# Altium PCB PCB2.PcbDoc (part 1 of 2) (continued)
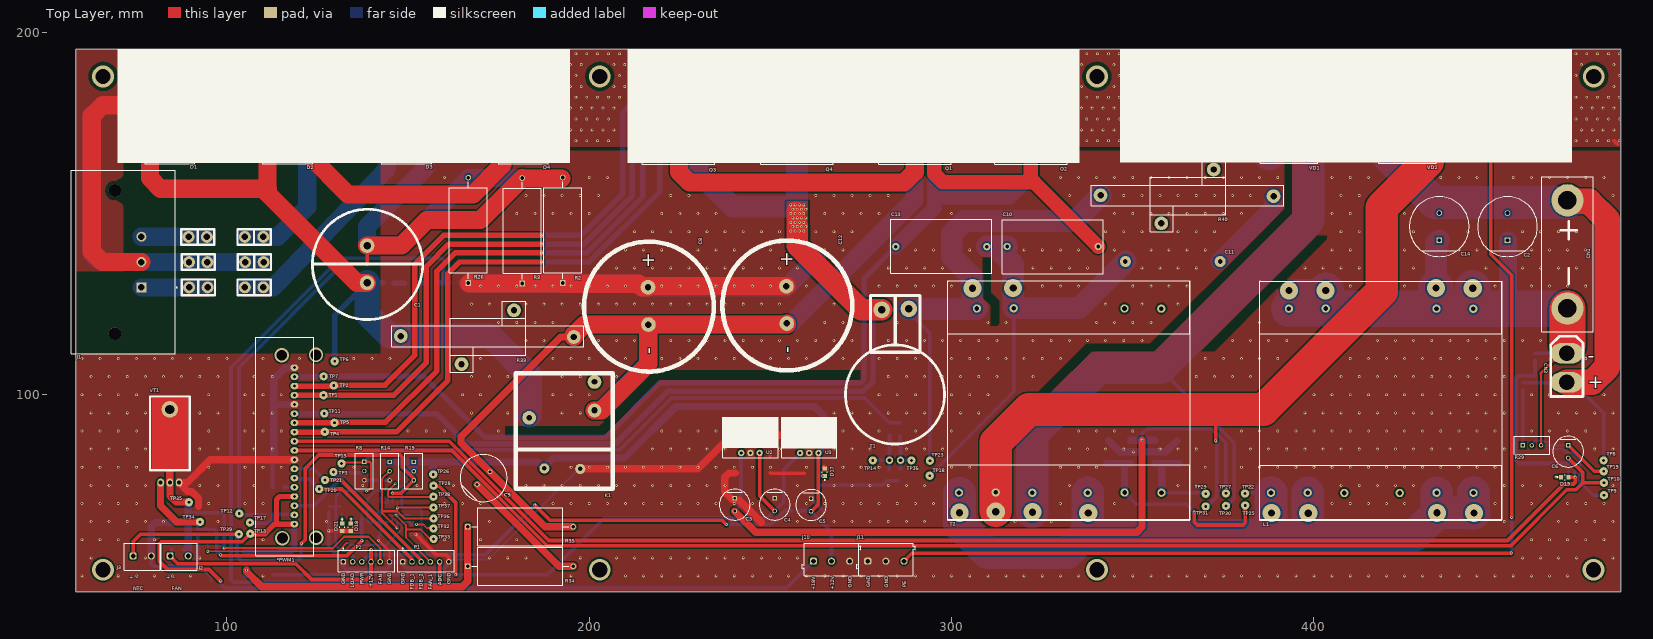
[diagram p0: Top Layer view]
## Part data (continued)
D17 D18 D19 D21: "WURTH ELEKTRONIK - 151031YS06000 - LED, Yellow, Through Hole, T-1 (3mm), 30 mA, 2 V, 590 nm", Manufacturer_Name="Wurth Elektronik", Mouser Part Number=710-151031YS06000, Datasheet Link=https://katalog.we-online.de/led/datasheet/151031YS06000.pdf, Geometry.Height=5.5mm, Manufacturer_Part_Number=151031YS06000, Mouser Price/Stock=https://www.mouser.co.uk/ProductDetail/Wurth-Elektronik/151031YS06000?qs=LlUlMxKIyB3xSYYW%252BcuBiQ%3D%3D
J1: library part CMP-64678-000001-1, "PWR ENT RCPT IEC320-C14 PNL SLDR", Color=Black, Current=15A, Max Voltage Rating (AC)=250V, Package Quantity=100, Approvals=UL, Connector Type=Receptacle, Contact Plating=Tin, Current Rating=15A, Fuse=No, Gender=Receptacle, Housing Material=Thermoplastic, Lead Free="Lead Free", Max Current Rating=15A, Mount="Through Hole", Number of Contacts=3, Number of Poles=2, Number of Positions=3, Orientation="Right Angle", Packaging=Bulk, Panel Thickness=0.12inch, Pitch=7mm, REACH SVHC="No SVHC", Termination=Solder, Voltage Rating=250V, Voltage Rating (AC)=250V, Voltage Rating (DC)=250V
J2 J3: "WR-TBL Series 1377 Horizontal Entry, THT, pitch 5mm, 2p", Manufacturer="Wurth Elektronik", Operating Temperature Max=120°C, Operating Temperature Min=-30°C, Rated Current=16A, Working Voltage=300V, Application="Pressure Clamp", Category="Terminal Blocks", ComponentLink1Description="Website Link", ComponentLink1URL=https://www.we-online.com/redexpert/article/691137710002?ad, ComponentLink2Description="Datasheet Link", ComponentLink2URL=https://www.we-online.com/redexpert/spec/691137710002?ad, Manufacturer Part Number=691137710002, Match Code=WR-TBL, Modularity=No, Mount="Through Hole", Number of Pins=2, Number of Rows=1, Orientation=Horizontal, Packaging=Box, Pitch=5mm
J10 J11: "WR-TBL Series 101 Horizontal Entry Modular, THT, pitch 5mm, 3p", Manufacturer="Wurth Elektronik", Operating Temperature Max=105°C, Operating Temperature Min=-40°C, Rated Current=16A, Working Voltage=250V, Application="Pressure Clamp", Category="Terminal Blocks", ComponentLink1Description="Website Link", ComponentLink1URL=https://www.we-online.com/redexpert/article/691101710003?ad, ComponentLink2Description="Datasheet Link", ComponentLink2URL=https://www.we-online.com/redexpert/spec/691101710003?ad, Manufacturer Part Number=691101710003, Match Code=WR-TBL, Modularity=Yes, Mount="Through Hole", Number of Pins=3, Number of Rows=1, Orientation=Horizontal, Packaging=Box, Pitch=5mm
K1: library part CMP-03396-000117-1, "RELAY GEN PURPOSE SPST 30A 48V", Coil Current=21mA, Coil Power=1W, Coil Resistance=2.304kR, Coil Voltage (DC)=48V, Contact Current Rating=30A, Contact Voltage Rating (AC)=277V, Max Operating Temperature=85°C, Min Operating Temperature=-55°C, Package Quantity=50, Power Consumption=4W, Application(s)="GENERAL PURPOSE", Approvals=UL, Coil Type=Non-Latching, Contact Material=Silver, Current Rating=30A, Depth=27.43mm, ELV=Non-Compliant, Height=20.4mm, Lead Free="Lead Free", Length=32.5mm, Life (Hours)=100000Hour, Max Voltage Rating (AC)=277V, Mount="Through Hole", Number of Pins=4, Operate Time=15ms, Packaging=Tray, Radiation Hardening=No, Relay Type="General Purpose", Release Time=15ms, RoHS Compliant=Yes, Series=T9A, Termination=PCB, Throw Configuration=SPST, Voltage Rating (AC)=277V, Weight=0.918oz, Width=27.4mm
L1: library part DROSEL, "Drosel", Manufacturer="Wuerth Elektronik", ComponentLink1Description="Manufacturer URL", ComponentLink1URL=http://www.we-online.com, ComponentLink2Description=Datasheet, ComponentLink2URL=http://katalog.we-online.de/pbs/datasheet/750311457.pdf, PackageReference=EP13, PartNumber=750311457, Ui=36V
P1 P2: "WR-WTB THT Male Vertical Locking Header, pitch 2.54mm, 6pins", Contact Resistance=20mΩ, Manufacturer="Wurth Elektronik", Operating Temperature Max=105°C, Operating Temperature Min=-40°C, Rated Current=3A, Withstanding Voltage=1000VAC, Working Voltage=250VAC, Category="Wire-to-Board Connectors", ComponentLink1Description="Website Link", ComponentLink1URL=https://www.we-online.com/redexpert/article/61900611121?ad, ComponentLink2Description="Datasheet Link", ComponentLink2URL=https://www.we-online.com/redexpert/spec/61900611121?ad, Gender=Male, Height=11.5mm, Length=15.24mm, Manufacturer Part Number=61900611121, Match Code=WR-WTB, Mount="Through Hole", Number of Pins=6, Number of Rows=1, Orientation=Vertical, Packaging=Bag, Pitch=2.54mm, Width=5.8mm
Q1 Q2 Q3 Q4: library part CMP-1168-00042-1, "Low Loss IGBT in TrenchStop and Fieldstop Technology, PG-TO247-3-44, Tube, Green", Manufacturer=Infineon, Switching Frequency="TRENCHSTOP 2-20kHz", ComponentLink1Description="Manufacturer URL", ComponentLink1URL=http://www.infineon.com/, ComponentLink2Description=Datasheet, ComponentLink2URL=http://www.infineon.com/dgdl/IGW60T120_Rev2_4G.pdf?folderId=db3a304412b407950112b408e8c90004&fileId=db3a304412b407950112b428250e3d74, ComponentLink3Description="Package Specification", ComponentLink3URL=http://www.infineon.com/dgdl/IDW10S120_Rev+2.pdf?folderId=db3a304314dca38901151224afae0c96&fileId=db3a304336724dc40136789691a04aa5, DatasheetVersion="Rev. 2.4", Green=TRUE, Halogen-free=FALSE, IC(max) @ 25 degC="100 A", Mounting Technology="Through Hole", PackageDescription="3-Pin Plastic (Green) Transistor Single Outline Package, Body 15.915 x 20.95 mm, Pitch 5.44 mm", PackageReference=PG-TO247-3-44_A, PackageVersion="Rev. 05, 07/2010", Packing=Tube, PartNumber=IGW60T120, RevisionNote="Lost Devices pt2", VCE (max)="1,200 V", VCE(sat) (typ)="2.3 V"
R1: library part CMP-2001-04908-2, "RES Thick Film, 470Ω, 1%, 0.125W, 100ppm/°C, 0805", Case Code (Imperial)=0805, Case Code (Metric)=2012, Max Operating Temperature=155°C, Min Operating Temperature=-55°C, Package Quantity=5000, Power Rating=125mW, Resistance=10kR, Temperature Coefficient=100ppm/°C, Tolerance=1%, Voltage Rating=150V, Case/Package=0805, Composition="Thick Film", Contact Plating=Tin, Depth=1.25mm, Height=0.45mm, Lead Free="Lead Free", Length=2mm, Military Standard=Not, Packaging="Tape and Reel", Radiation Hardening=No, Termination=SMD/SMT, Voltage Rating (DC)=150V, Weight=0.000194oz, Width=1.25mm
R2 R3 R26 R34 R35: library part CMP-03413-000003-1, "RES 1.2 OHM 5W 5% AXIAL", Manufacturer=Yageo, Package=SQP500, Power Rating=5W, Resistance=1.2Ω, Temperature="-55°C to +155°C", Temperature Coefficient=300ppm/°C, Temperature Range High=+155°C, Temperature Range Low=-55°C, Tolerance=5%, Voltage Rating=350V, Automotive=No, Category=Res, ComponentLink2Description=Datasheet, ComponentLink2URL=https://datasheet.ciiva.com/2723/yageolr-sqpnsp-2013-2723111.pdf, Composition=Wirewound, Device Class L1="Passive Components", Device Class L2=Resistors, Device Class L3="Through-Hole Resistors", Digikey Description="RES 1.2 OHM 5W 5% AXIAL", Height=10mm, Ipc Land Pattern Name=RESAD2911W100L2350D1050, Lead Free=Yes, Manufacturer Part Number=SQP500JB-1R2, Octopart=https://octopart.com/sqp500jb-1r2-yageo-1162571, RoHS=TRUE, Series=SQP
R4 R7 R9 R10: library part CMP-2005-01987-2, "RES SMD 3,3K OHM 1% 1/2W 1992", Case Code (Imperial)=1210, Case Code (Metric)=3225, Max Operating Temperature=155°C, Max Power Dissipation=500mW, Min Operating Temperature=-55°C, Package Quantity=1, Resistance=0mR, Temperature Coefficient=0ppm/°C, Voltage Rating=200V, Case/Package=1210, Composition="Thick Film", Contact Plating=Tin, Depth=2.5mm, Features="Automotive AEC-Q200", Height=0.55mm, Length=3.2mm, Military Standard=Not, Mount="Surface Mount", Number of Terminations=2, Packaging="Tape and Reel", Power Rating=500mW, Radiation Hardening=No, REACH SVHC="No SVHC", Termination=SMD/SMT, Weight=0.000564oz, Width=0.098inch
R5: library part CMP-2005-01987-2, "RES SMD 10K OHM 1% 1/2W 1992", Case Code (Imperial)=1210, Case Code (Metric)=3225, Max Operating Temperature=155°C, Max Power Dissipation=500mW, Min Operating Temperature=-55°C, Package Quantity=1, Resistance=0mR, Temperature Coefficient=0ppm/°C, Voltage Rating=200V, Case/Package=1210, Composition="Thick Film", Contact Plating=Tin, Depth=2.5mm, Features="Automotive AEC-Q200", Height=0.55mm, Length=3.2mm, Military Standard=Not, Mount="Surface Mount", Number of Terminations=2, Packaging="Tape and Reel", Power Rating=500mW, Radiation Hardening=No, REACH SVHC="No SVHC", Termination=SMD/SMT, Weight=0.000564oz, Width=0.098inch
R6: library part CMP-2005-01987-2, "RES SMD 205K OHM 1% 1/2W 1992", Case Code (Imperial)=1210, Case Code (Metric)=3225, Max Operating Temperature=155°C, Max Power Dissipation=500mW, Min Operating Temperature=-55°C, Package Quantity=1, Resistance=0mR, Temperature Coefficient=0ppm/°C, Voltage Rating=200V, Case/Package=1210, Composition="Thick Film", Contact Plating=Tin, Depth=2.5mm, Features="Automotive AEC-Q200", Height=0.55mm, Length=3.2mm, Military Standard=Not, Mount="Surface Mount", Number of Terminations=2, Packaging="Tape and Reel", Power Rating=500mW, Radiation Hardening=No, REACH SVHC="No SVHC", Termination=SMD/SMT, Weight=0.000564oz, Width=0.098inch
R11 R20: library part CMP-2001-04908-2, "RES Thick Film, 1MΩ, 1%, 0.125W, 100ppm/°C, 0805", Case Code (Imperial)=0805, Case Code (Metric)=2012, Max Operating Temperature=155°C, Min Operating Temperature=-55°C, Package Quantity=5000, Power Rating=125mW, Resistance=10kR, Temperature Coefficient=100ppm/°C, Tolerance=1%, Voltage Rating=150V, Case/Package=0805, Composition="Thick Film", Contact Plating=Tin, Depth=1.25mm, Height=0.45mm, Lead Free="Lead Free", Length=2mm, Military Standard=Not, Packaging="Tape and Reel", Radiation Hardening=No, Termination=SMD/SMT, Voltage Rating (DC)=150V, Weight=0.000194oz, Width=1.25mm
R12 R13 R16: library part CMP-2005-01987-2, "RES SMD 300K OHM 1% 1/2W 1992", Case Code (Imperial)=1210, Case Code (Metric)=3225, Max Operating Temperature=155°C, Max Power Dissipation=500mW, Min Operating Temperature=-55°C, Package Quantity=1, Resistance=0mR, Temperature Coefficient=0ppm/°C, Voltage Rating=200V, Case/Package=1210, Composition="Thick Film", Contact Plating=Tin, Depth=2.5mm, Features="Automotive AEC-Q200", Height=0.55mm, Length=3.2mm, Military Standard=Not, Mount="Surface Mount", Number of Terminations=2, Packaging="Tape and Reel", Power Rating=500mW, Radiation Hardening=No, REACH SVHC="No SVHC", Termination=SMD/SMT, Weight=0.000564oz, Width=0.098inch
R15 R22 R23 R24 R25 R31 R32 R36 R37 R38 R39: library part CMP-2001-04908-2, "RES Thick Film, 10KΩ, 1%, 0.125W, 100ppm/°C, 0805", Case Code (Imperial)=0805, Case Code (Metric)=2012, Max Operating Temperature=155°C, Min Operating Temperature=-55°C, Package Quantity=5000, Power Rating=125mW, Resistance=10kR, Temperature Coefficient=100ppm/°C, Tolerance=1%, Voltage Rating=150V, Case/Package=0805, Composition="Thick Film", Contact Plating=Tin, Depth=1.25mm, Height=0.45mm, Lead Free="Lead Free", Length=2mm, Military Standard=Not, Packaging="Tape and Reel", Radiation Hardening=No, Termination=SMD/SMT, Voltage Rating (DC)=150V, Weight=0.000194oz, Width=1.25mm
R17: library part CMP-2005-01987-2, "RES SMD 1K OHM 1% 1/2W 1992", Case Code (Imperial)=1210, Case Code (Metric)=3225, Max Operating Temperature=155°C, Max Power Dissipation=500mW, Min Operating Temperature=-55°C, Package Quantity=1, Resistance=0mR, Temperature Coefficient=0ppm/°C, Voltage Rating=200V, Case/Package=1210, Composition="Thick Film", Contact Plating=Tin, Depth=2.5mm, Features="Automotive AEC-Q200", Height=0.55mm, Length=3.2mm, Military Standard=Not, Mount="Surface Mount", Number of Terminations=2, Packaging="Tape and Reel", Power Rating=500mW, Radiation Hardening=No, REACH SVHC="No SVHC", Termination=SMD/SMT, Weight=0.000564oz, Width=0.098inch
R18 R21: library part CMP-2001-04908-2, "RES Thick Film, 20KΩ, 1%, 0.125W, 100ppm/°C, 0805", Case Code (Imperial)=0805, Case Code (Metric)=2012, Max Operating Temperature=155°C, Min Operating Temperature=-55°C, Package Quantity=5000, Power Rating=125mW, Resistance=10kR, Temperature Coefficient=100ppm/°C, Tolerance=1%, Voltage Rating=150V, Case/Package=0805, Composition="Thick Film", Contact Plating=Tin, Depth=1.25mm, Height=0.45mm, Lead Free="Lead Free", Length=2mm, Military Standard=Not, Packaging="Tape and Reel", Radiation Hardening=No, Termination=SMD/SMT, Voltage Rating (DC)=150V, Weight=0.000194oz, Width=1.25mm
R27 R30: library part CMP-2001-04908-2, "RES Thick Film, 51KΩ, 1%, 0.125W, 100ppm/°C, 0805", Case Code (Imperial)=0805, Case Code (Metric)=2012, Max Operating Temperature=155°C, Min Operating Temperature=-55°C, Package Quantity=5000, Power Rating=125mW, Resistance=10kR, Temperature Coefficient=100ppm/°C, Tolerance=1%, Voltage Rating=150V, Case/Package=0805, Composition="Thick Film", Contact Plating=Tin, Depth=1.25mm, Height=0.45mm, Lead Free="Lead Free", Length=2mm, Military Standard=Not, Packaging="Tape and Reel", Radiation Hardening=No, Termination=SMD/SMT, Voltage Rating (DC)=150V, Weight=0.000194oz, Width=1.25mm
R28: library part CMP-2001-04908-2, "RES Thick Film, 510Ω, 1%, 0.125W, 100ppm/°C, 0805", Case Code (Imperial)=0805, Case Code (Metric)=2012, Max Operating Temperature=155°C, Min Operating Temperature=-55°C, Package Quantity=5000, Power Rating=125mW, Resistance=10kR, Temperature Coefficient=100ppm/°C, Tolerance=1%, Voltage Rating=150V, Case/Package=0805, Composition="Thick Film", Contact Plating=Tin, Depth=1.25mm, Height=0.45mm, Lead Free="Lead Free", Length=2mm, Military Standard=Not, Packaging="Tape and Reel", Radiation Hardening=No, Termination=SMD/SMT, Voltage Rating (DC)=150V, Weight=0.000194oz, Width=1.25mm
R33: library part RES_10W
T2: library part Transformer, "Transformer", Manufacturer="Wuerth Elektronik", ComponentLink1Description="Manufacturer URL", ComponentLink1URL=http://www.we-online.com, ComponentLink2Description=Datasheet, ComponentLink2URL=http://katalog.we-online.de/pbs/datasheet/750311457.pdf, PackageReference=EP13, PartNumber=750311457, Ui=36V
TP1 TP2 TP3 TP4 TP5 TP6 TP7 TP8 TP9 TP10 TP11 TP12 TP13 TP14 TP15 TP16 TP17 TP18 TP19 TP20 TP21 TP22 TP23 TP25 TP26 TP27 TP28 TP29 TP30 TP31 TP32 TP33 TP34 TP35 TP36 TP37 TP38 TP39: library part TP_PCB?, "Test_Point"
U1: library part CMP-1685-00009-2, "IC OPAMP GP 2 CIRCUIT 8SOIC", Case/Package=SOIC, Dual Supply Voltage=9V, Input Bias Current=250nA, Input Offset Voltage (Vos)=7mV, Max Dual Supply Voltage=16V, Max Operating Temperature=70°C, Max Supply Voltage=32V, Min Dual Supply Voltage=1.5V, Min Operating Temperature=0°C, Min Supply Voltage=3V, Nominal Supply Current=1.2mA, Operating Supply Current=1mA, Output Current=30mA, Package Quantity=2500, Power Supply Rejection Ratio (PSRR)=65dB, Voltage Gain=100dB, Bandwidth=700kHz, Common Mode Rejection Ratio=65dB, Contact Plating=Gold, Gain Bandwidth Product=700kHz, Height=1.58mm, Lead Free="Lead Free", Length=4.9mm, Mount="Surface Mount", Number of Amplifiers=2, Number of Channels=2, Number of Circuits=2, Number of Elements=2, Number of Pins=8, Operating Supply Voltage=16V, Output Current per Channel=30mA, Packaging="Tape and Reel", Radiation Hardening=No, REACH SVHC="No SVHC", Slew Rate=0.3V/µs, Unity Gain Bandwidth Product=700kHz, Width=3.91mm
U2 U3: library part LM7812
U4: library part CMP-0242-00060-1, "Programmable Voltage Reference, 2.5 to 36V, 3-Pin SOT23-3, Tape and Reel", ComponentLink1Description="Manufacturer URL", ComponentLink1URL=http://www.st.com, ComponentLink2Description=Datasheet, ComponentLink2URL=http://www.st.com/internet/com/TECHNICAL_RESOURCES/TECHNICAL_LITERATURE/DATASHEET/CD00000986.pdf, DatasheetVersion=Oct-2011, PackageDescription="3-Pin SOT-23 Package 0.95 mm Pitch, 2.4 mm Lead Span", PackageReference=SOT23-3, PackageVersion=2011

## Via types
v1: diameter 0.8, hole 0.4, Top Layer to Bottom Layer, tented both sides, 1515 vias
v2: diameter 5, hole 2, Top Layer to Bottom Layer, 14 vias
v3: diameter 10, hole 4.2, Top Layer to Bottom Layer, 9 vias
v4: diameter 6, hole 4.2, Top Layer to Bottom Layer, 8 vias
v5: diameter 4, hole 3, Top Layer to Bottom Layer, tented both sides, 4 vias

## Nets (pads, with @x,y where several pads share a name; then routed paths per layer and width w, separated by ;. In a path a pad name is that pad's centre, name@x,y a point inside that pad or via, vN(x,y) a via of type N, cw(c..) or ccw(c..) an arc to the next point about the centre after c; other vN are vias at no path point)
GND: *PWM1.8 *PWM1.14 *PWM1.18 C3.1 C4.1 C5.1 C7.2 C8.2 C12.2 D5.1 D7.1 D13.2 D16.2 D17.2 D18.2 D21.2 J3.2 J10.3 J11.1 J11.2 K1.4 P1.1 P1.6 P2.1 P2.6 Q2.3 Q4.3 R2.1 R3.1 R5.1 R7.1 R8.3 R10.1 R14.3 R15.1 R17.1 R21.1 R22.1 R23.1 R26.1 U1.4 U2.2 U3.2 VT1.S | length 748.4
  Top Layer w0.6: v1(141.872,59.805) 144.856,56.821 P2.6@144.856,53.873
  Top Layer w1: v1(128.092,62.433) 128.101,62.425 D21.2@131.801,62.425 ; D21.2@131.863,62.412 134.201,62.412 D18.2@134.214,62.399 ; v1(152.171,61.468) 157.836,55.804 160.528,55.804 161.239,55.093 P1.6@161.239,53.873 ; C3.1@240.157,71.422 C3.1@240.184,71.449 ; 249.911,78.486 250.038,78.359 259.258,78.359 ; 249.949,83.223 249.987,83.261 ; C4.1@251.154,71.393 C4.1@251.181,71.42 C4.1@251.219,71.458 ; C5.1@261.214,71.349 C5.1@261.315,71.45 ; D17.2@264.717,80.073 D17.2@264.717,80.195
  Top Layer w2: VT1.S@86.792,75.768 89.103,75.768 95.428,82.093 *PWM1.8@118.618,82.093 ; VT1.S@86.903,75.625 89.224,73.304 90.276,73.304 92.153,71.427 92.153,69.238 ; K1.4@197.485,79.553 K1.4@197.51,79.553 229.997,79.553 239.243,88.798 259.559,88.798 260.882,87.476 ; 240.259,78.433 238.535,78.433 237.363,77.261 237.363,73.228 239.663,70.928 241.391,70.928 247.488,64.832
  Top Layer w5: R26.1@166.801,130.682 181.458,130.682 R2.1@192.659,130.682 ; R2.1@192.887,130.632 213.563,130.632 214.528,129.667 C8.2@216.205,129.667 ; C8.2@216.51,129.972 C12.2@254.406,129.972 ; Q4.3@262.788,166.802 262.788,180.662 265.717,183.591 324.858,183.591 327.787,180.662 Q2.3@327.787,166.7
  Bottom Layer w0.6: 91.923,53.24 95.639,49.523 95.639,48.674 ; v1(141.872,59.805) 141.911,59.843 141.911,60.949 142.367,61.405 R23.1@142.367,64.836 ; R21.1@142.367,73.568 141.056,73.568 138.836,71.349 138.836,65.35 139.35,64.836 R23.1@142.367,64.836 ; U1.4@144.25,64.836 R23.1@142.367,64.836 ; P1.6@161.239,53.873 161.406,53.873 162.041,54.508 172.136,54.508 K1.4@198.145,80.518 ; 264.626,67.548 265.1,68.021
  Bottom Layer w1: J3.2@79.132,55.533 79.132,53.24 79.718,52.654 91.337,52.654 91.923,53.24 R15.1@91.923,60.95 ; R5.1@112.572,74.422 112.572,84.022 112.903,84.353 ; C7.2@128.092,67.576 v1(128.092,62.433) 128.092,57.937 P2.1@132.156,53.873 132.156,52.427 132.742,51.841 144.27,51.841 144.856,52.427 P2.6@144.856,53.873 P1.1@148.539,53.873 148.789,53.623 148.789,52.808 149.474,52.123 160.076,52.123 161.144,53.191 161.144,53.778 P1.6@161.239,53.873 ; R8.3@137.947,76.429 137.973,76.403 142.367,76.403 ; R21.1@142.367,73.568 142.367,76.403 ; R14.3@144.902,76.378 144.877,76.403 142.367,76.403 ; R22.1@150.796,61.484 152.155,61.484 v1(152.171,61.468) ; C5.1@261.214,71.349 264.541,68.021 265.1,68.021 ; 263.265,75.152 263.386,75.032 280.899,75.032 282.092,76.225 282.829,76.225 285.166,76.225
  Bottom Layer w1.5: R17.1@164.366,130.861 166.699,130.861 166.853,130.708 R26.1@167.284,130.276
  Bottom Layer w2: J3.2@79.132,55.533 79.132,63.598 80.303,64.77 86.817,64.77 ; *PWM1.8@118.618,82.093 114.075,82.093 112.903,83.264 112.903,84.353 112.903,97.333 ; *PWM1.14@118.618,97.333 112.903,97.333 ; *PWM1.18@118.618,107.493 118.539,107.413 118.348,107.413 118.277,107.342 115.93,107.342 112.903,104.315 112.903,97.333 ; R10.1@258.573,173.482 261.515,173.482 262.687,172.31 Q4.3@262.687,166.751 ; R7.1@324.914,173.26 326.038,173.26 327.787,171.511 Q2.3@327.787,166.7 ; D13.2@343.348,87.296 346.392,84.252 v1(350.215,84.252) 359.119,84.252 D16.2@362.137,87.271
  Bottom Layer w5: R26.1@166.624,130.708 166.853,130.708 R3.1@181.458,130.708 R2.1@192.659,130.708 ; R2.1@192.861,130.658 213.563,130.658 214.655,129.565 C8.2@216.205,129.565 ; C8.2@216.205,129.667 C12.2@254.102,129.667 ; C12.2@254.406,129.667 262.788,138.049
  other v1: 60,50 70,50 75,50 80,50 85,50 90,50 110,50 195,50 210,50 215,50 220,50 225,50 230,50 235,50 240,50 245,50 250,50 255,50 260,50 265,50 270,50 275,50 280,50 285,50 290,50 295,50 300,50 305,50 310,50 315,50 320,50 325,50 330,50 335,50 345,50 350,50 355,50 360,50 365,50 370,50 375,50 380,50 385,50 390,50 395,50 400,50 405,50 410,50 415,50 420,50 425,50 430,50 435,50 440,50 445,50 450,50 455,50 460,50 465,50 470,50 62.5,55 77.5,55 92.5,55 172.5,55 177.5,55 182.5,55 197.5,55 207.5,55 212.5,55 217.5,55 222.5,55 227.5,55 232.5,55 237.5,55 242.5,55 247.5,55 252.5,55 257.5,55 457.5,55 462.5,55 467.5,55 472.5,55 482.5,55 60,60 65,60 70,60 80,60 110,60 160,60 170,60 180,60 460,60 465,60 470,60 475,60 480,60 62.5,65 67.5,65 72.5,65 77.5,65 82.5,65 97.5,65 127.5,65 172.5,65 257.5,65 267.5,65 272.5,65 277.5,65 282.5,65 287.5,65 292.5,65 317.5,65 327.5,65 452.5,65 467.5,65 472.5,65 477.5,65 482.5,65 60,70 65,70 70,70 75,70 95,70 105,70 110,70 160,70 165,70 170,70 190,70 195,70 200,70 205,70 210,70 215,70 220,70 225,70 230,70 235,70 240,70 245,70 260,70 265,70 270,70 275,70 280,70 285,70 290,70 295,70 330,70 345,70 405,70 410,70 415,70 420,70 425,70 450,70 460,70 470,70 475,70 480,70 62.5,75 67.5,75 72.5,75 77.5,75 92.5,75 97.5,75 107.5,75 137.5,75 152.5,75 162.5,75 182.5,75 187.5,75 192.5,75 197.5,75 202.5,75 207.5,75 212.5,75 217.5,75 222.5,75 227.5,75 232.5,75 237.5,75 257.5,75 267.5,75 272.5,75 277.5,75 282.5,75 287.5,75 292.5,75 332.5,75 362.5,75 367.5,75 382.5,75 407.5,75 412.5,75 417.5,75 422.5,75 427.5,75 452.5,75 457.5,75 462.5,75 482.5,75 60,80 65,80 70,80 75,80 95,80 105,80 110,80 115,80 135,80 195,80 200,80 205,80 210,80 215,80 220,80 225,80 230,80 235,80 240,80 245,80 250,80 260,80 270,80 275,80 280,80 290,80 300,80 305,80 330,80 335,80 340,80 370,80 380,80 385,80 390,80 395,80 400,80 405,80 410,80 415,80 420,80 425,80 430,80 435,80 440,80 445,80 450,80 62.5,85 67.5,85 72.5,85 77.5,85 92.5,85 97.5,85 107.5,85 112.5,85 217.5,85 222.5,85 227.5,85 232.5,85 237.5,85 252.5,85 267.5,85 272.5,85 277.5,85 287.5,85 292.5,85 297.5,85 332.5,85 337.5,85 342.5,85 347.5,85 357.5,85 362.5,85 367.5,85 382.5,85 387.5,85 392.5,85 397.5,85 402.5,85 407.5,85 412.5,85 417.5,85 422.5,85 427.5,85 432.5,85 437.5,85 442.5,85 447.5,85 452.5,85 477.5,85 482.5,85 60,90 65,90 70,90 75,90 95,90 105,90 110,90 115,90 150,90 155,90 160,90 175,90 220,90 225,90 230,90 235,90 240,90 250,90 255,90 270,90 275,90 280,90 290,90 300,90 335,90 340,90 345,90 350,90 380,90 385,90 390,90 395,90 400,90 405,90 410,90 415,90 420,90 425,90 430,90 435,90 440,90 445,90 450,90 460,90 465,90 470,90 475,90 62.5,95 67.5,95 72.5,95 77.5,95 92.5,95 97.5,95 107.5,95 112.5,95 167.5,95 177.5,95 192.5,95 197.5,95 267.5,95 272.5,95 277.5,95 282.5,95 287.5,95 292.5,95 297.5,95 302.5,95 307.5,95 397.5,95 402.5,95 407.5,95 412.5,95 417.5,95 422.5,95 427.5,95 432.5,95 437.5,95 442.5,95 447.5,95 452.5,95 467.5,95 472.5,95 477.5,95 482.5,95 60,100 65,100 70,100 75,100 95,100 105,100 110,100 115,100 165,100 170,100 190,100 195,100 200,100 280,100 285,100 290,100 300,100 305,100 310,100 400,100 405,100 410,100 415,100 420,100 425,100 430,100 435,100 440,100 445,100 450,100 460,100 465,100 480,100 62.5,105 67.5,105 72.5,105 77.5,105 82.5,105 87.5,105 92.5,105 97.5,105 107.5,105 112.5,105 167.5,105 172.5,105 177.5,105 192.5,105 197.5,105 207.5,105 282.5,105 287.5,105 292.5,105 297.5,105 302.5,105 307.5,105 312.5,105 322.5,105 367.5,105 372.5,105 377.5,105 382.5,105 407.5,105 412.5,105 417.5,105 422.5,105 427.5,105 432.5,105 437.5,105 442.5,105 447.5,105 452.5,105 60,110 65,110 70,110 75,110 80,110 85,110 90,110 95,110 100,110 110,110 120,110 135,110 140,110 145,110 170,110 190,110 195,110 200,110 205,110 210,110 220,110 225,110 230,110 235,110 240,110 245,110 250,110 255,110 260,110 265,110 270,110 280,110 285,110 290,110 300,110 305,110 310,110 315,110 320,110 325,110 330,110 370,110 375,110 380,110 385,110 390,110 410,110 415,110 420,110 425,110 430,110 435,110 440,110 445,110 450,110 475,110 182.5,115 187.5,115 202.5,115 207.5,115 212.5,115 222.5,115 227.5,115 232.5,115 237.5,115 242.5,115 247.5,115 252.5,115 257.5,115 262.5,115 267.5,115 272.5,115 282.5,115 287.5,115 292.5,115 297.5,115 302.5,115 307.5,115 312.5,115 322.5,115 327.5,115 332.5,115 337.5,115 342.5,115 347.5,115 352.5,115 377.5,115 382.5,115 387.5,115 392.5,115 417.5,115 422.5,115 427.5,115 432.5,115 437.5,115 442.5,115 447.5,115 452.5,115 457.5,115 462.5,115 175,120 180,120 185,120 190,120 265,120 270,120 285,120 310,120 315,120 340,120 345,120 350,120 355,120 385,120 167.5,125 172.5,125 182.5,125 187.5,125 192.5,125 197.5,125 202.5,125 207.5,125 212.5,125 217.5,125 222.5,125 227.5,125 232.5,125 237.5,125 242.5,125 247.5,125 252.5,125 267.5,125 342.5,125 352.5,125 362.5,125 170,130 175,130 180,130 185,130 190,130 195,130 200,130 205,130 210,130 220,130 225,130 230,130 235,130 240,130 245,130 250,130 260,130 280,130 285,130 290,130 295,130 300,130 325,130 330,130 335,130 350,130 355,130 360,130 365,130 410,130 425,130 450,130 460,130 465,130 470,130 475,130 202.5,135 207.5,135 212.5,135 217.5,135 222.5,135 227.5,135 232.5,135 237.5,135 242.5,135 247.5,135 252.5,135 257.5,135 282.5,135 287.5,135 292.5,135 297.5,135 322.5,135 327.5,135 332.5,135 337.5,135 352.5,135 357.5,135 362.5,135 367.5,135 397.5,135 402.5,135 407.5,135 412.5,135 427.5,135 447.5,135 457.5,135 462.5,135 467.5,135 472.5,135 210,140 215,140 220,140 225,140 230,140 235,140 240,140 245,140 250,140 265,140 270,140 290,140 295,140 305,140 320,140 325,140 330,140 335,140 345,140 355,140 360,140 365,140 370,140 405,140 410,140 425,140 440,140 445,140 460,140 465,140 470,140 475,140 212.5,145 217.5,145 222.5,145 227.5,145 232.5,145 237.5,145 242.5,145 247.5,145 252.5,145 262.5,145 267.5,145 272.5,145 342.5,145 347.5,145 352.5,145 362.5,145 367.5,145 372.5,145 407.5,145 412.5,145 427.5,145 442.5,145 457.5,145 462.5,145 467.5,145 472.5,145 180,150 185,150 190,150 195,150 200,150 220,150 225,150 230,150 235,150 265,150 270,150 275,150 280,150 300,150 345,150 350,150 355,150 360,150 365,150 370,150 375,150 380,150 405,150 410,150 425,150 182.5,155 187.5,155 192.5,155 197.5,155 202.5,155 222.5,155 227.5,155 262.5,155 267.5,155 272.5,155 277.5,155 282.5,155 332.5,155 347.5,155 352.5,155 357.5,155 362.5,155 367.5,155 372.5,155 377.5,155 382.5,155 407.5,155 412.5,155 482.5,155 160,160 200,160 205,160 330,160 335,160 340,160 345,160 350,160 355,160 360,160 365,160 370,160 375,160 380,160 385,160 390,160 405,160 410,160 415,160 435,160 440,160 445,160 455,160 460,160 465,160 470,160 475,160 480,160
Net*PWM1_1: *PWM1.1 *PWM1.4 D11.1 D20.1 J10.1 TP13.1 | length 264.4
  Top Layer w1: v1(98.247,48.616) 95.072,51.791 83.617,51.791 81.28,54.127 81.28,58.85 81.866,59.436 104.216,59.436 TP13.1@106.451,61.671
  Top Layer w1.5: TP13.1@106.451,61.671 110.541,61.671 113.182,64.313 113.69,64.313 ; *PWM1.1@118.618,64.313 113.69,64.313 ; *PWM1.4@118.618,71.933 114.569,71.933 113.69,71.054 113.69,64.313
  Bottom Layer w1: v1(98.247,48.616) 98.247,47.904 99.466,46.685 254.465,46.685 261.381,53.602 J10.1@261.856,54.077
  Bottom Layer w1.5: D20.1@104.822,56.718 117.714,56.718 118.593,57.597 118.593,64.287 *PWM1.1@118.618,64.313
Net*PWM1_2: *PWM1.2 R1.2 TP17.1 | length 13.8
  Bottom Layer w1: TP17.1@106.705,64.592 111.582,64.592 112.633,65.643 R1.2@112.633,67.005 118.065,67.005 118.217,66.853 *PWM1.2@118.618,66.853
Net*PWM1_3: *PWM1.3 R8.2 TP3.1 | length 26
  Bottom Layer w1: *PWM1.3@118.618,69.393 123.977,69.393 131.216,76.632 ; TP3.1@129.273,78.575 131.216,76.632 ; R8.2@137.947,78.969 137.893,78.969 137.385,78.461 133.045,78.461 131.216,76.632
Net*PWM1_5: *PWM1.5 R5.2 | length 3
  Bottom Layer w1: R5.2@115.673,74.422 115.698,74.447 118.593,74.447 *PWM1.5@118.618,74.473
Net*PWM1_6: *PWM1.6 P1.2 TP20.1 | length 42.5
  Top Layer w1: TP20.1@125.451,73.99 131.699,73.99 150.984,54.706 150.984,53.969 P1.2@151.079,53.873
  Bottom Layer w1: *PWM1.6@118.618,77.013 118.872,76.759 122.682,76.759 TP20.1@125.451,73.99
Net*PWM1_7: *PWM1.7 P1.3 TP21.1 | length 45.9
  Top Layer w1: TP21.1@127.051,76.505 131.496,76.505 153.524,54.477 153.524,53.969 P1.3@153.619,53.873
  Bottom Layer w1: *PWM1.7@118.618,79.553 124.003,79.553 TP21.1@127.051,76.505
Net*PWM1_9: *PWM1.9 C6.2 R28.2 R30.1 R31.2 R32.2 TP10.1 | length 438.6
  Top Layer w1: *PWM1.9@118.618,84.633 161.823,84.633 162.145,84.633 188.434,58.344 454.355,58.344 469.798,73.787 472.288,73.787 474.218,75.717 ; C6.2@470.154,82.555 474.218,78.491 474.218,75.717 ; TP10.1@480.035,75.717 474.218,75.717
  Bottom Layer w1: R32.2@461.01,109.49 R30.1@461.01,105.207 456.313,105.207 455.727,104.621 455.727,81.956 456.631,81.051 R31.2@470.154,81.051 ; C6.2@470.154,82.555 R31.2@470.154,81.051 ; R28.2@471.983,81.036 471.975,81.044 470.162,81.044 R31.2@470.154,81.051
Net*PWM1_10: *PWM1.10 D19.2 R28.1 TP9.1 U4.1 | length 402.2
  Top Layer w1: *PWM1.10@118.618,87.173 161.378,87.173 188.782,59.769 453.393,59.769 469.011,75.387 471.681,75.387 472.059,75.765 v1(472.059,77.267) D19.2@470.29,77.267
  Bottom Layer w0.6: U4.1@464.784,85.08 468.589,85.08 469.595,84.074 471.322,84.074 473.481,81.915 473.481,77.989 472.759,77.267 v1(472.059,77.267) 472.059,77.321 471.983,77.397 R28.1@471.983,79.086
  Bottom Layer w1: v1(472.059,77.267) 477.037,72.288 TP9.1@480.035,72.288
Net*PWM1_11: *PWM1.11 Q3.1 R9.2 TP4.1 | length 165.5
  Top Layer w1.5: *PWM1.11@118.618,89.713 127.025,89.713 TP4.1@127.102,89.789 ; TP4.1@127.025,89.789 146.787,89.789 160.985,103.988 160.985,133.477 164.16,136.652 v1(186.766,136.652)
  Bottom Layer w1.5: v1(186.766,136.652) 199.949,136.652 219.456,156.159 Q3.1@219.456,166.802
  Bottom Layer w2: Q3.1@219.456,166.802 219.456,171.834 220.803,173.18 222.51,173.18 222.808,173.478 R9.2@222.808,173.584
Net*PWM1_12: *PWM1.12 Q4.1 R10.2 TP5.1 | length 209.1
  Top Layer w1.5: *PWM1.12@118.618,92.253 TP5.1@129.565,92.253 ; TP5.1@129.667,92.278 129.817,92.429 143.787,92.429 157.937,106.578 157.937,134.137 162.992,139.192 v1(186.766,139.192)
  Bottom Layer w1.5: v1(186.766,139.192) 199.301,139.192 214.706,154.597 214.706,173.66 221.247,180.201 244.055,180.201 251.663,172.593 ; 251.892,172.247 253.063,173.419 R10.2@255.174,173.419 ; Q4.1@251.993,166.802 251.993,172.349